# KiCad board GanJing 65 rev 2 solder.kicad_pcb
title: GanJing 65 rev 2 solder; date: 2021-11-19; rev: 2; company: Mingze Jin
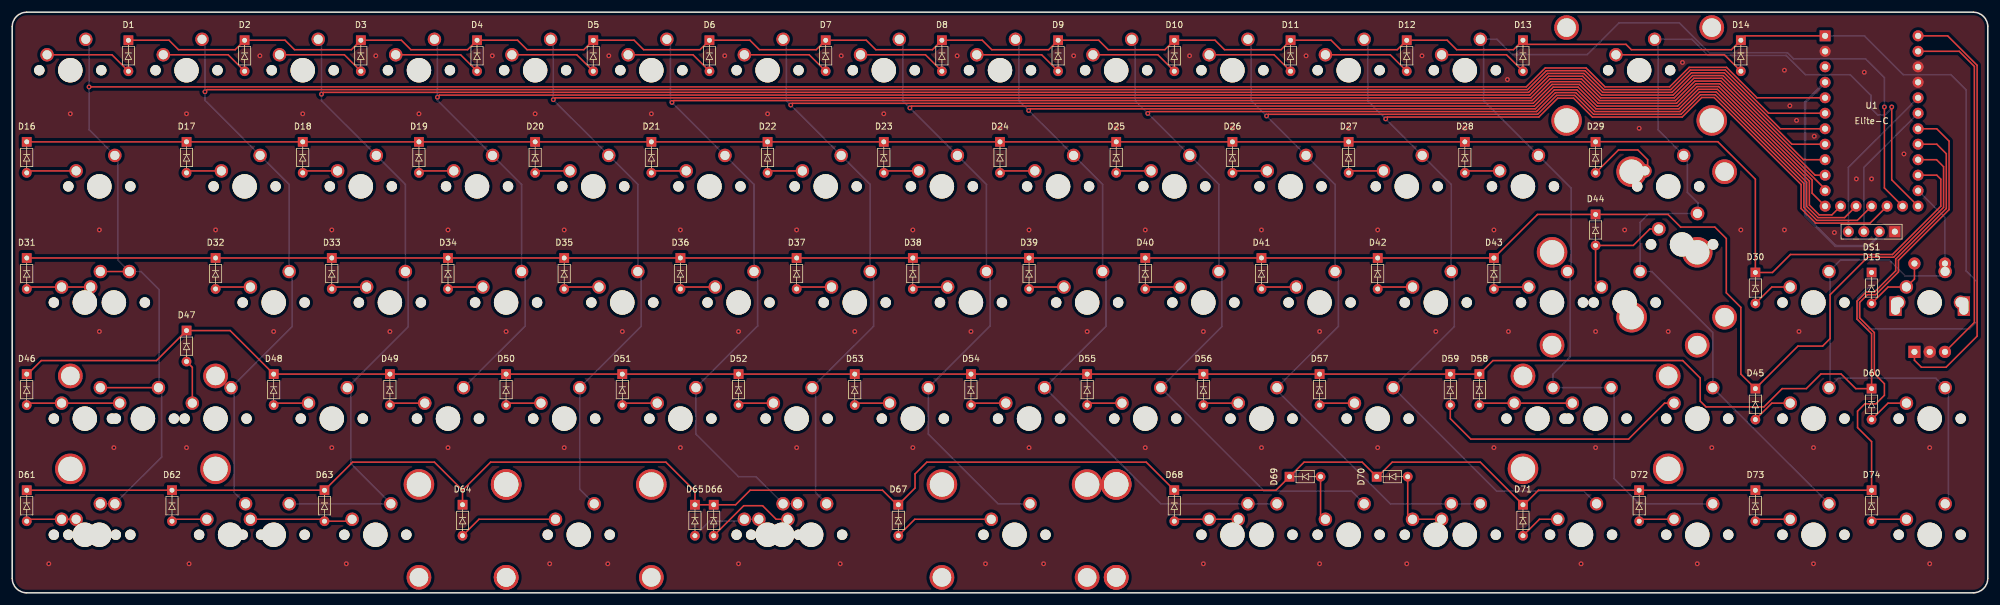
[diagram p0: board, top side]
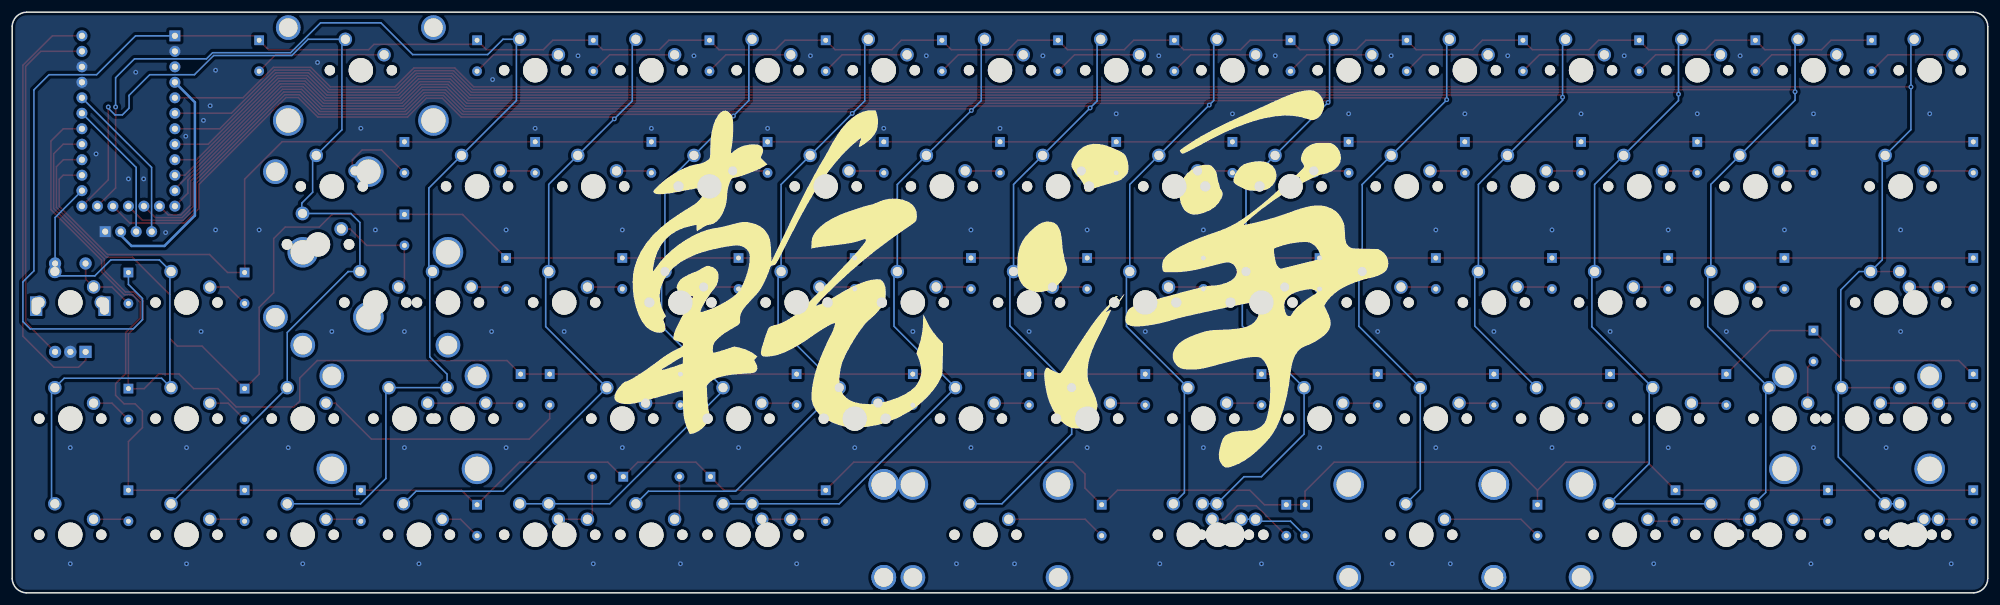
[diagram p1: board, bottom side, seen from below]

Outline 323.85 x 95.25 mm; copper layers: Top, Bottom. Coordinates in mm from the lower left corner of the outline.
Outline path: 0,92.87 0,2.38 arc(0.7,0.7) 2.38,0 321.47,0 arc(323.15,0.7) 323.85,2.38 323.85,92.87 arc(323.15,94.55) 321.47,95.25 2.38,95.25 arc(0.7,94.55) 0,92.87
Stack: Top 0.035mm / dielectric 1.51mm FR4 er 4.5 / Bottom 0.035mm

## Placement (name value [footprint] x y rotation side)
D1  -  [1N4148TR_diode]  19.05 88.11 0 top
D2  -  [1N4148TR_diode]  38.1 88.11 0 top
D3  -  [1N4148TR_diode]  57.15 88.11 0 top
D4  -  [1N4148TR_diode]  76.2 88.11 0 top
D5  -  [1N4148TR_diode]  95.25 88.11 0 top
D6  -  [1N4148TR_diode]  114.3 88.11 0 top
D7  -  [1N4148TR_diode]  133.35 88.11 0 top
D8  -  [1N4148TR_diode]  152.4 88.11 0 top
D9  -  [1N4148TR_diode]  171.45 88.11 0 top
D10  -  [1N4148TR_diode]  190.5 88.11 0 top
D11  -  [1N4148TR_diode]  209.55 88.11 0 top
D12  -  [1N4148TR_diode]  228.6 88.11 0 top
D13  -  [1N4148TR_diode]  247.65 88.11 0 top
D14  -  [1N4148TR_diode]  283.37 88.11 0 top
D15  -  [1N4148TR_diode]  304.8 50.01 0 top
D16  -  [1N4148TR_diode]  2.38 71.44 0 top
D17  -  [1N4148TR_diode]  28.57 71.44 0 top
D18  -  [1N4148TR_diode]  47.62 71.44 0 top
D19  -  [1N4148TR_diode]  66.68 71.44 0 top
D20  -  [1N4148TR_diode]  85.72 71.44 0 top
D21  -  [1N4148TR_diode]  104.78 71.44 0 top
D22  -  [1N4148TR_diode]  123.83 71.44 0 top
D23  -  [1N4148TR_diode]  142.88 71.44 0 top
D24  -  [1N4148TR_diode]  161.93 71.44 0 top
D25  -  [1N4148TR_diode]  180.97 71.44 0 top
D26  -  [1N4148TR_diode]  200.03 71.44 0 top
D27  -  [1N4148TR_diode]  219.08 71.44 0 top
D28  -  [1N4148TR_diode]  238.13 71.44 0 top
D29  -  [1N4148TR_diode]  259.56 71.44 0 top
D30  -  [1N4148TR_diode]  285.75 50.01 0 top
D31  -  [1N4148TR_diode]  2.38 52.39 0 top
D32  -  [1N4148TR_diode]  33.34 52.39 0 top
D33  -  [1N4148TR_diode]  52.39 52.39 0 top
D34  -  [1N4148TR_diode]  71.44 52.39 0 top
D35  -  [1N4148TR_diode]  90.49 52.39 0 top
D36  -  [1N4148TR_diode]  109.54 52.39 0 top
D37  -  [1N4148TR_diode]  128.59 52.39 0 top
D38  -  [1N4148TR_diode]  147.64 52.39 0 top
D39  -  [1N4148TR_diode]  166.69 52.39 0 top
D40  -  [1N4148TR_diode]  185.74 52.39 0 top
D41  -  [1N4148TR_diode]  204.79 52.39 0 top
D42  -  [1N4148TR_diode]  223.84 52.39 0 top
D43  -  [1N4148TR_diode]  242.89 52.39 0 top
D44  -  [1N4148TR_diode]  259.56 59.53 0 top
D45  -  [1N4148TR_diode]  285.75 30.96 0 top
D46  -  [1N4148TR_diode]  2.38 33.34 0 top
D47  -  [1N4148TR_diode]  28.57 40.48 0 top
D48  -  [1N4148TR_diode]  42.86 33.34 0 top
D49  -  [1N4148TR_diode]  61.91 33.34 0 top
D50  -  [1N4148TR_diode]  80.96 33.34 0 top
D51  -  [1N4148TR_diode]  100.01 33.34 0 top
D52  -  [1N4148TR_diode]  119.06 33.34 0 top
D53  -  [1N4148TR_diode]  138.11 33.34 0 top
D54  -  [1N4148TR_diode]  157.16 33.34 0 top
D55  -  [1N4148TR_diode]  176.21 33.34 0 top
D56  -  [1N4148TR_diode]  195.26 33.34 0 top
D57  -  [1N4148TR_diode]  214.31 33.34 0 top
D58  -  [1N4148TR_diode]  240.51 33.34 0 top
D59  -  [1N4148TR_diode]  235.74 33.34 0 top
D60  -  [1N4148TR_diode]  304.8 30.96 0 top
D61  -  [1N4148TR_diode]  2.38 14.29 0 top
D62  -  [1N4148TR_diode]  26.19 14.29 0 top
D63  -  [1N4148TR_diode]  51.19 14.29 0 top
D64  -  [1N4148TR_diode]  73.82 11.91 0 top
D65  -  [1N4148TR_diode]  111.92 11.91 0 top
D66  -  [1N4148TR_diode]  114.99 11.91 0 top
D67  -  [1N4148TR_diode]  145.26 11.91 0 top
D68  -  [1N4148TR_diode]  190.5 14.29 0 top
D69  -  [1N4148TR_diode]  211.93 19.05 90 top
D70  -  [1N4148TR_diode]  226.22 19.05 90 top
D71  -  [1N4148TR_diode]  247.65 11.91 0 top
D72  -  [1N4148TR_diode]  266.7 14.29 0 top
D73  -  [1N4148TR_diode]  285.75 14.29 0 top
D74  -  [1N4148TR_diode]  304.8 14.29 0 top
DS1  -  [SSD1306_128x64_OLED]  304.8 71.2 0 top
MX1  -  [MX_1u_no_LED]  9.52 85.72 0 top
MX2  -  [MX_1u_no_LED]  28.57 85.72 0 top
MX3  -  [MX_1u_no_LED]  47.62 85.72 0 top
MX4  -  [MX_1u_no_LED]  66.68 85.72 0 top
MX5  -  [MX_1u_no_LED]  85.72 85.72 0 top
MX6  -  [MX_1u_no_LED]  104.78 85.72 0 top
MX7  -  [MX_1u_no_LED]  123.83 85.72 0 top
MX8  -  [MX_1u_no_LED]  142.88 85.72 0 top
MX9  -  [MX_1u_no_LED]  161.93 85.72 0 top
MX10  -  [MX_1u_no_LED]  180.97 85.72 0 top
MX11  -  [MX_1u_no_LED]  200.03 85.72 0 top
MX12  -  [MX_1u_no_LED]  219.08 85.72 0 top
MX13  -  [MX_1u_no_LED]  238.13 85.72 0 top
MX14  -  [MX_2u_no_LED]  266.7 85.72 0 top
MX15  -  [MX_1u_no_LED#2]  314.31 47.64 0 top
MX16  -  [MX_1.5u_no_LED]  14.29 66.67 0 top
MX17  -  [MX_1u_no_LED]  38.1 66.67 0 top
MX18  -  [MX_1u_no_LED]  57.15 66.67 0 top
MX19  -  [MX_1u_no_LED]  76.2 66.67 0 top
MX20  -  [MX_1u_no_LED]  95.25 66.67 0 top
MX21  -  [MX_1u_no_LED]  114.3 66.67 0 top
MX22  -  [MX_1u_no_LED]  133.35 66.67 0 top
MX23  -  [MX_1u_no_LED]  152.4 66.67 0 top
MX24  -  [MX_1u_no_LED]  171.45 66.67 0 top
MX25  -  [MX_1u_no_LED]  190.5 66.67 0 top
MX26  -  [MX_1u_no_LED]  209.55 66.67 0 top
MX27  -  [MX_1u_no_LED]  228.6 66.67 0 top
MX28  -  [MX_1u_no_LED]  247.65 66.67 0 top
MX29  -  [MX_1.5u_no_LED]  271.46 66.67 0 top
MX30  -  [MX_1u_no_LED]  295.27 47.62 0 top
MX31  -  [MX_1.75u_no_LED]  16.67 47.62 0 top
MX32  -  [MX_1u_no_LED]  42.86 47.62 0 top
MX33  -  [MX_1u_no_LED]  61.91 47.62 0 top
MX34  -  [MX_1u_no_LED]  80.96 47.62 0 top
MX35  -  [MX_1u_no_LED]  100.01 47.62 0 top
MX36  -  [MX_1u_no_LED]  119.06 47.62 0 top
MX37  -  [MX_1u_no_LED]  138.11 47.62 0 top
MX38  -  [MX_1u_no_LED]  157.16 47.62 0 top
MX39  -  [MX_1u_no_LED]  176.21 47.62 0 top
MX40  -  [MX_1u_no_LED]  195.26 47.62 0 top
MX41  -  [MX_1u_no_LED]  214.31 47.62 0 top
MX42  -  [MX_1u_no_LED]  233.36 47.62 0 top
MX43  -  [MX_1u_no_LED]  252.41 47.62 0 top
MX44  MX_2.25u_no_LED  [MX_2.25u_no_LED_flipped_stabs]  264.32 47.62 0 top
MX45  -  [MX_1u_no_LED]  295.27 28.57 0 top
MX46  -  [MX_2.25u_no_LED]  21.43 28.57 0 top
MX47  -  [MX_1u_no_LED]  33.34 28.57 0 top
MX48  -  [MX_1u_no_LED]  52.39 28.57 0 top
MX49  -  [MX_1u_no_LED]  71.44 28.57 0 top
MX50  -  [MX_1u_no_LED]  90.49 28.57 0 top
MX51  -  [MX_1u_no_LED]  109.54 28.57 0 top
MX52  -  [MX_1u_no_LED]  128.59 28.57 0 top
MX53  -  [MX_1u_no_LED]  147.64 28.57 0 top
MX54  -  [MX_1u_no_LED]  166.69 28.57 0 top
MX55  -  [MX_1u_no_LED]  185.74 28.57 0 top
MX56  -  [MX_1u_no_LED]  204.79 28.57 0 top
MX57  -  [MX_1u_no_LED]  223.84 28.57 0 top
MX58  -  [MX_2.75u_no_LED]  259.56 28.57 0 top
MX59  -  [MX_1u_no_LED]  276.22 28.57 0 top
MX60  -  [MX_1u_no_LED]  314.32 28.57 0 top
MX61  -  [MX_1.25u_no_LED]  11.91 9.53 0 top
MX62  -  [MX_1.25u_no_LED]  35.72 9.53 0 top
MX63  -  [MX_1.25u_no_LED]  59.53 9.53 0 top
MX64  -  [MX_2.25u_no_LED_flipped_stabs]  92.87 9.53 0 top
MX65  -  [MX_1.25u_no_LED]  126.21 9.53 0 top
MX66  -  [MX_6.25u_no_LED_flipped_stabs]  130.97 9.53 0 top
MX67  -  [MX_2.75u_no_LED_flipped_stabs]  164.31 9.53 0 top
MX68  -  [MX_1u_no_LED]  200.03 9.53 0 top
MX69  -  [MX_1u_no_LED]  219.08 9.53 0 top
MX70  -  [MX_1u_no_LED]  238.13 9.53 0 top
MX71  -  [MX_1u_no_LED]  257.17 9.53 0 top
MX72  -  [MX_1u_no_LED]  276.22 9.53 0 top
MX73  -  [MX_1u_no_LED]  295.27 9.53 0 top
MX74  -  [MX_1u_no_LED]  314.32 9.53 0 top
MX75  -  [MX_1.75u_stepped_no_LED]  11.91 47.62 0 top
MX76  -  [MX_ISO_no_LED_flipped_stabs]  273.72 57.15 0 top
MX77  -  [MX_1.25u_no_LED]  11.91 28.57 0 top
MX78  -  [MX_1.75u_no_LED]  250.03 28.57 0 top
MX79  -  [MX_1.5u_no_LED]  14.29 9.53 0 top
MX80  -  [MX_1.5u_no_LED]  42.86 9.53 0 top
MX81  -  [MX_7u_no_LED_flipped_stabs]  123.83 9.53 0 top
MX82  -  [MX_1.5u_no_LED]  204.79 9.53 0 top
MX83  -  [MX_1.5u_no_LED]  233.36 9.53 0 top
REF***  -  [Logo]  161.93 47.62 0 top
SW1  -  [EC11_rotary_encoder]  314.32 47.03 0 top
U1  -  [Elite-C]  304.8 77.4 0 top

## Library data of the parts
MX1-MX13 MX15 MX17-MX28 MX30 MX32-MX43 MX45 MX47-MX57 MX59 MX60 MX68-MX74 = -: Size: 1u
MX14 = -: Size: 2u
MX16 MX29 MX79 MX80 MX82 MX83 = -: Size: 1.5u
MX31 MX75 MX78 = -: Size: 1.75u
MX44 MX46 MX64 = -: Size: 2.25u
MX58 MX67 = -: Size: 2.75u
MX61-MX63 MX65 MX77 = -: Size: 1.25u
MX66 = -: Size: 6.25u
MX76 = -: Size: ISO
MX81 = -: Size: 7u

## Footprints (pads in the part's own frame, mm; a bottom-side part is the same pattern mirrored in y, then rotated)
1N4148TR_diode
  rect 1.6x1.6 hole 0.8: 1(0,2.54)
  oval 1.6x1.6 hole 0.8: 2(0,-2.54)
EC11_rotary_encoder
  rect 2x3.2 hole 1.5x2.8 unplated: (-5.6,0) (5.6,0)
  rect 2x2 hole 1: A(-2.5,-7.5)
  round 2 hole 1: B(2.5,-7.5) C(0,-7.5) S1(2.5,7) S2(-2.5,7)
Elite-C
  rect 1.8x1.8 hole 1: 1(-7.62,13.97)
  round 1.8 hole 1: 2(-7.62,11.43) 3(-7.62,8.89) 4(-7.62,6.35) 5(-7.62,3.81) 6(-7.62,1.27) 7(-7.62,-1.27) 8(-7.62,-3.81) 9(-7.62,-6.35) 10(-7.62,-8.89) 11(-7.62,-11.43) 12(-7.62,-13.97) 13(7.62,-13.97) 14(7.62,-11.43) 15(7.62,-8.89) 16(7.62,-6.35) 17(7.62,-3.81) 18(7.62,-1.27) 19(7.62,1.27) 20(7.62,3.81) 21(7.62,6.35) 22(7.62,8.89) 23(7.62,11.43) 24(7.62,13.97) 25(-5.08,-13.97) 26(-2.54,-13.97) 27(0,-13.97) 28(2.54,-13.97) 29(5.08,-13.97)
MX_1.5u_no_LED
  round 1.7 hole 1.7 unplated: (-5.08,0) (5.08,0)
  round 4 hole 4 unplated: (0,0)
  round 2.2 hole 1.5: 1(2.54,5.08) 2(-3.81,2.54)
MX_1.25u_no_LED
  round 1.7 hole 1.7 unplated: (-5.08,0) (5.08,0)
  round 4 hole 4 unplated: (0,0)
  round 2.2 hole 1.5: 1(2.54,5.08) 2(-3.81,2.54)
MX_1.75u_no_LED
  round 1.7 hole 1.7 unplated: (-5.08,0) (5.08,0)
  round 4 hole 4 unplated: (0,0)
  round 2.2 hole 1.5: 1(2.54,5.08) 2(-3.81,2.54)
MX_1.75u_stepped_no_LED
  round 1.7 hole 1.7 unplated: (-5.08,0) (5.08,0)
  round 4 hole 4 unplated: (0,0)
  round 2.2 hole 1.5: 1(2.54,5.08) 2(-3.81,2.54)
MX_1u_no_LED
  round 1.7 hole 1.7 unplated: (-5.08,0) (5.08,0)
  round 4 hole 4 unplated: (0,0)
  round 2.2 hole 1.5: 1(2.54,5.08) 2(-3.81,2.54)
MX_1u_no_LED#2
  round 2.25 hole 1.7 unplated: (-5.08,0) (5.08,0)
  round 4 hole 4 unplated: (0,0)
  round 2.2 hole 1.5: 1(2.54,5.08) 2(-3.81,2.54)
MX_2.25u_no_LED
  round 4.05 hole 3.05 unplated: (-11.9,7) (11.9,7)
  round 5 hole 4 unplated: (-11.9,-8.24) (11.9,-8.24)
  round 1.7 hole 1.7 unplated: (-5.08,0) (5.08,0)
  round 4 hole 4 unplated: (0,0)
  round 2.2 hole 1.5: 1(2.54,5.08) 2(-3.81,2.54)
MX_2.25u_no_LED_flipped_stabs
  round 5 hole 4 unplated: (-11.9,8.24) (11.9,8.24)
  round 4.05 hole 3.05 unplated: (-11.9,-7) (11.9,-7)
  round 1.7 hole 1.7 unplated: (-5.08,0) (5.08,0)
  round 4 hole 4 unplated: (0,0)
  round 2.2 hole 1.5: 1(2.54,5.08) 2(-3.81,2.54)
MX_2.75u_no_LED
  round 4.05 hole 3.05 unplated: (-11.9,7) (11.9,7)
  round 5 hole 4 unplated: (-11.9,-8.24) (11.9,-8.24)
  round 1.7 hole 1.7 unplated: (-5.08,0) (5.08,0)
  round 4 hole 4 unplated: (0,0)
  round 2.2 hole 1.5: 1(2.54,5.08) 2(-3.81,2.54)
MX_2.75u_no_LED_flipped_stabs
  round 5 hole 4 unplated: (-11.9,8.24) (11.9,8.24)
  round 4.05 hole 3.05 unplated: (-11.9,-7) (11.9,-7)
  round 1.7 hole 1.7 unplated: (-5.08,0) (5.08,0)
  round 4 hole 4 unplated: (0,0)
  round 2.2 hole 1.5: 1(2.54,5.08) 2(-3.81,2.54)
MX_2u_no_LED
  round 4.05 hole 3.05 unplated: (-11.9,7) (11.9,7)
  round 5 hole 4 unplated: (-11.9,-8.24) (11.9,-8.24)
  round 1.7 hole 1.7 unplated: (-5.08,0) (5.08,0)
  round 4 hole 4 unplated: (0,0)
  round 2.2 hole 1.5: 1(2.54,5.08) 2(-3.81,2.54)
MX_6.25u_no_LED_flipped_stabs
  round 5 hole 4 unplated: (-50,8.255) (50,8.255)
  round 4.05 hole 3.05 unplated: (-50,-6.985) (50,-6.985)
  round 1.7 hole 1.7 unplated: (-5.08,0) (5.08,0)
  round 4 hole 4 unplated: (0,0)
  round 2.2 hole 1.5: 1(2.54,5.08) 2(-3.81,2.54)
MX_7u_no_LED_flipped_stabs
  round 5 hole 4 unplated: (-57.15,8.255) (57.15,8.255)
  round 4.05 hole 3.05 unplated: (-57.15,-6.985) (57.15,-6.985)
  round 1.7 hole 1.7 unplated: (-5.08,0) (5.08,0)
  round 4 hole 4 unplated: (0,0)
  round 2.2 hole 1.5: 1(2.54,5.08) 2(-3.81,2.54)
MX_ISO_no_LED_flipped_stabs
  round 5 hole 4 unplated: (-8.255,11.938) (-8.255,-11.938)
  round 1.75 hole 1.75 unplated: (-5.08,0) (5.08,0)
  round 3.988 hole 3.988 unplated: (0,0)
  round 4.05 hole 3.05 unplated: (6.985,11.938) (6.985,-11.938)
  round 2.25 hole 1.47: 1(2.54,5.08) 2(-3.81,2.54)
SSD1306_128x64_OLED
  rect 1.8x1.8 hole 1: 1(3.81,-11.95)
  round 1.8 hole 1: 2(1.27,-11.95) 3(-1.27,-11.95) 4(-3.81,-11.95)

## Nets
GND: DS1.1 SW1.C U1.2 U1.21 U1.22
VCC: DS1.2 U1.4
col_1: MX1.1 MX16.1 MX31.1 MX46.1 MX61.1 MX75.1 MX77.1 MX79.1 U1.5
col_2: MX2.1 MX17.1 MX32.1 MX47.1 MX62.1 U1.6
col_3: MX3.1 MX18.1 MX33.1 MX48.1 MX63.1 MX80.1 U1.7
col_4: MX4.1 MX19.1 MX34.1 MX49.1 U1.8
col_5: MX5.1 MX20.1 MX35.1 MX50.1 MX64.1 U1.9
col_6: MX6.1 MX21.1 MX36.1 MX51.1 MX65.1 MX81.1 U1.10
col_7: MX7.1 MX22.1 MX37.1 MX52.1 MX66.1 U1.11
col_8: MX8.1 MX23.1 MX38.1 MX53.1 MX67.1 U1.12
col_9: MX9.1 MX24.1 MX39.1 MX54.1 MX68.1 MX82.1 U1.25
col_10: MX10.1 MX25.1 MX40.1 MX55.1 MX69.1 U1.26
col_11: MX11.1 MX26.1 MX41.1 MX56.1 MX70.1 MX83.1 U1.27
col_12: MX12.1 MX27.1 MX42.1 MX57.1 MX71.1 U1.28
col_13: MX13.1 MX28.1 MX43.1 MX58.1 MX72.1 MX78.1 U1.29
col_14: MX14.1 MX29.1 MX44.1 MX59.1 MX73.1 MX76.1 U1.13
col_15: MX15.1 MX30.1 MX45.1 MX60.1 MX74.1 SW1.S1 U1.14
rotory_1: SW1.A U1.24
rotory_2: SW1.B U1.23
row_1: D1.1 D2.1 D3.1 D4.1 D5.1 D6.1 D7.1 D8.1 D9.1 D10.1 D11.1 D12.1 D13.1 D14.1 D15.1 U1.1
row_2: D16.1 D17.1 D18.1 D19.1 D20.1 D21.1 D22.1 D23.1 D24.1 D25.1 D26.1 D27.1 D28.1 D29.1 D30.1 U1.15
row_3: D31.1 D32.1 D33.1 D34.1 D35.1 D36.1 D37.1 D38.1 D39.1 D40.1 D41.1 D42.1 D43.1 D44.1 D45.1 U1.16
row_4: D46.1 D47.1 D48.1 D49.1 D50.1 D51.1 D52.1 D53.1 D54.1 D55.1 D56.1 D57.1 D58.1 D59.1 D60.1 U1.17
row_5: D61.1 D62.1 D63.1 D64.1 D65.1 D66.1 D67.1 D68.1 D69.1 D70.1 D71.1 D72.1 D73.1 D74.1 U1.18
S2: D15.2 MX15.2 SW1.S2
SCL: DS1.3 U1.19
SDA: DS1.4 U1.20
Net-(D1-Pad2): D1.2 MX1.2
Net-(D2-Pad2): D2.2 MX2.2
Net-(D3-Pad2): D3.2 MX3.2
Net-(D4-Pad2): D4.2 MX4.2
Net-(D5-Pad2): D5.2 MX5.2
Net-(D6-Pad2): D6.2 MX6.2
Net-(D7-Pad2): D7.2 MX7.2
Net-(D8-Pad2): D8.2 MX8.2
Net-(D9-Pad2): D9.2 MX9.2
Net-(D10-Pad2): D10.2 MX10.2
Net-(D11-Pad2): D11.2 MX11.2
Net-(D12-Pad2): D12.2 MX12.2
Net-(D13-Pad2): D13.2 MX13.2
Net-(D14-Pad2): D14.2 MX14.2
Net-(D16-Pad2): D16.2 MX16.2
Net-(D17-Pad2): D17.2 MX17.2
Net-(D18-Pad2): D18.2 MX18.2
Net-(D19-Pad2): D19.2 MX19.2
Net-(D20-Pad2): D20.2 MX20.2
Net-(D21-Pad2): D21.2 MX21.2
Net-(D22-Pad2): D22.2 MX22.2
Net-(D23-Pad2): D23.2 MX23.2
Net-(D24-Pad2): D24.2 MX24.2
Net-(D25-Pad2): D25.2 MX25.2
Net-(D26-Pad2): D26.2 MX26.2
Net-(D27-Pad2): D27.2 MX27.2
Net-(D28-Pad2): D28.2 MX28.2
Net-(D29-Pad2): D29.2 MX29.2
Net-(D30-Pad2): D30.2 MX30.2
Net-(D31-Pad2): D31.2 MX31.2 MX75.2
Net-(D32-Pad2): D32.2 MX32.2
Net-(D33-Pad2): D33.2 MX33.2
Net-(D34-Pad2): D34.2 MX34.2
Net-(D35-Pad2): D35.2 MX35.2
Net-(D36-Pad2): D36.2 MX36.2
Net-(D37-Pad2): D37.2 MX37.2
Net-(D38-Pad2): D38.2 MX38.2
Net-(D39-Pad2): D39.2 MX39.2
Net-(D40-Pad2): D40.2 MX40.2
Net-(D41-Pad2): D41.2 MX41.2
Net-(D42-Pad2): D42.2 MX42.2
Net-(D43-Pad2): D43.2 MX43.2
Net-(D44-Pad2): D44.2 MX44.2 MX76.2
Net-(D45-Pad2): D45.2 MX45.2
Net-(D46-Pad2): D46.2 MX46.2 MX77.2
Net-(D47-Pad2): D47.2 MX47.2
Net-(D48-Pad2): D48.2 MX48.2
Net-(D49-Pad2): D49.2 MX49.2
Net-(D50-Pad2): D50.2 MX50.2
Net-(D51-Pad2): D51.2 MX51.2
Net-(D52-Pad2): D52.2 MX52.2
Net-(D53-Pad2): D53.2 MX53.2
Net-(D54-Pad2): D54.2 MX54.2
Net-(D55-Pad2): D55.2 MX55.2
Net-(D56-Pad2): D56.2 MX56.2
Net-(D57-Pad2): D57.2 MX57.2
Net-(D58-Pad2): D58.2 MX58.2 MX78.2
Net-(D59-Pad2): D59.2 MX59.2
Net-(D60-Pad2): D60.2 MX60.2
Net-(D61-Pad2): D61.2 MX61.2 MX79.2
Net-(D62-Pad2): D62.2 MX62.2
Net-(D63-Pad2): D63.2 MX63.2 MX80.2
Net-(D64-Pad2): D64.2 MX64.2
Net-(D65-Pad2): D65.2 MX65.2 MX81.2
Net-(D66-Pad2): D66.2 MX66.2
Net-(D67-Pad2): D67.2 MX67.2
Net-(D68-Pad2): D68.2 MX68.2 MX82.2
Net-(D69-Pad2): D69.2 MX69.2
Net-(D70-Pad2): D70.2 MX70.2 MX83.2
Net-(D71-Pad2): D71.2 MX71.2
Net-(D72-Pad2): D72.2 MX72.2
Net-(D73-Pad2): D73.2 MX73.2
Net-(D74-Pad2): D74.2 MX74.2

Pads without a net: U1 3

## Via types
v1: diameter 0.8, hole 0.4, Top to Bottom, 115 vias

## Routing (per net, layer and track width the routed paths; a pad name or vN(x,y) marks a point on that pad's centre or on a via; arc(x,y) is an arc through that point)
GND:
  vias: v1(5.99,4.76) v1(9.52,78.58) v1(14.29,59.53) v1(14.29,42.86) v1(16.67,23.81) v1(28.57,78.58) v1(28.57,23.81) v1(28.99,4.76) v1(33.34,59.53) v1(40.6,88.1) v1(42.86,42.86) v1(47.62,78.58) v1(52.39,59.53) v1(52.39,23.81) v1(54.77,4.76) v1(59.6,88.1) v1(61.91,42.86) v1(66.68,78.58) v1(71.44,59.53) v1(71.44,23.81) v1(78.7,88.1) v1(80.96,42.86) v1(85.72,78.58) v1(88.11,4.76) v1(90.49,59.53) v1(90.49,23.81) v1(97.63,4.76) v1(97.8,88.1) v1(100.01,42.86) v1(104.78,78.58) v1(109.54,59.53) v1(109.54,23.81) v1(116.8,88.1) v1(119.06,42.86) v1(119.06,4.76) v1(123.83,78.58) v1(128.59,59.53) v1(128.59,23.81) v1(135.73,4.76) v1(135.9,88.1) v1(138.11,42.86) v1(142.88,78.58) v1(147.64,59.53) v1(147.64,23.81) v1(154.9,88.1) v1(157.16,42.86) v1(159.54,4.76) v1(161.93,76.2) v1(166.69,59.53) v1(166.69,23.81) v1(169.07,4.76) v1(174,88.1) v1(176.21,42.86) v1(180.97,76.2) v1(185.74,59.53) v1(185.74,23.81) v1(193,88.1) v1(195.26,42.86) v1(195.26,4.76) v1(200.03,76.2) v1(204.79,59.53) v1(204.79,23.81) v1(212.1,88.1) v1(214.31,42.86) v1(214.31,4.76) v1(219.08,76.2) v1(223.84,59.53) v1(223.84,23.81) v1(228.6,4.76) v1(231.1,88.1) v1(233.36,42.86) v1(238.13,76.2) v1(242.89,59.53) v1(242.89,23.81) v1(245.1,84.2) v1(245.27,42.86) v1(257.17,4.76) v1(259.56,42.86) v1(259.56,23.81) v1(264.32,59.53) v1(266.7,76.2) v1(271.46,42.86) v1(273.8,87) v1(276.22,4.76) v1(278.61,23.81) v1(283.37,59.53) v1(290.51,85.72) v1(290.51,59.53) v1(291.4,79.9) v1(292.5,77.5) v1(292.89,42.86) v1(295.27,23.81) v1(295.27,4.76) v1(295.4,74.9) v1(298.7,59.1) v1(302.3,67.9) v1(303.6,85.4) v1(304.8,67.9) v1(310.1,72) v1(314.32,23.81) v1(314.32,4.76)
VCC: length 38.2
  Bottom w0.4: 306.07,58.67 304.3,56.9 298.9,56.9 293.9,61.9 293.9,80.47 U1.4
col_1: length 390.6
  Top w0.25: U1.5 286.01,81.21 281.02,86.2 274.9,86.2 271.7,83 261.1,83 258,86.1 251.3,86.1 248.2,83 12.61,83 v1(12.6,82.99) ; MX46.1 MX77.1 ; MX31.1 MX75.1
  Bottom w0.25: 12.6,90.27 12.6,75.98 MX16.1 ; 24.5,33.13 24.5,22.28 16.83,14.6 14.45,14.6 ; 24.1,33.78 24.1,49.7 21.09,52.71 MX31.1 17.3,54.61 17.3,71.28
col_2: length 357.9
  Top w0.25: U1.6 287.92,78.67 280.84,85.75 275.09,85.75 271.89,82.55 260.91,82.55 257.81,85.65 251.49,85.65 248.39,82.55 31.95,82.55 v1(31.6,82.2)
  Bottom w0.25: 31.6,90.32 31.6,80.8 MX17.1 45.4,66.99 MX32.1 ; 38.26,14.6 36.4,16.46 36.4,33.13 ; 45.9,52.21 45.9,43.68 MX47.1
col_3: length 358.1
  Top w0.25: v1(50.7,81.8) 51,82.1 248.57,82.1 251.67,85.2 257.63,85.2 260.73,82.1 272.07,82.1 275.27,85.3 280.65,85.3 289.82,76.13 U1.7
  Bottom w0.25: 50.7,90.27 v1(50.7,81.8) 50.7,80.75 MX18.1 64.45,66.99 MX33.1 ; 45.4,14.6 62.07,14.6 ; MX48.1 64.9,43.63 64.9,52.26 ; 62.07,14.63 55.5,21.2 55.5,33.08
col_4: length 302.2
  Top w0.25: v1(69.7,81.3) 70.05,81.65 248.76,81.65 251.86,84.75 257.44,84.75 260.54,81.65 272.26,81.65 275.46,84.85 280.47,84.85 291.73,73.59 U1.8
  Bottom w0.25: 69.7,90.32 69.7,80.8 MX19.1 83.5,66.99 MX34.1 ; 84.1,52.11 84.1,43.78 MX49.1
col_5: length 304.1
  Top w0.25: U1.9 293.63,71.05 280.28,84.4 275.65,84.4 272.45,81.2 260.35,81.2 257.25,84.3 252.05,84.3 248.95,81.2 89,81.2 v1(88.7,80.9)
  Bottom w0.25: 88.7,90.37 88.7,80.84 MX20.1 102.55,66.99 MX35.1 ; 95.41,14.6 93.03,16.99 MX50.1 103.1,43.73 103.1,52.16
col_6: length 294.3
  Top w0.25: U1.10 295.54,68.51 280.1,83.95 275.83,83.95 272.63,80.75 260.17,80.75 257.07,83.85 252.23,83.85 249.13,80.75 108.45,80.75 v1(108.15,80.45)
  Bottom w0.25: 107.9,90.22 107.9,80.69 v1(108.15,80.45) MX21.1 121.6,66.99 MX36.1 ; 122.2,52.11 122.2,43.78 MX51.1 112.08,26.03 119.06,19.05 121.92,19.05 126.37,14.6 128.75,14.6
col_7: length 265.9
  Top w0.25: v1(127.62,80.02) 127.9,80.3 249.32,80.3 252.42,83.4 256.88,83.4 259.98,80.3 272.82,80.3 276.02,83.5 279.91,83.5 297.18,66.23
  Bottom w0.25: 126.9,90.27 126.9,80.75 v1(127.62,80.02) MX22.1 140.65,66.99 MX37.1 ; 133.51,14.6 131.7,16.41 131.7,33.08 ; 141.2,52.16 141.2,43.73 MX52.1
col_8: length 258.3
  Top w0.25: U1.12 295.05,65.56 295.05,67.72 279.72,83.05 276.2,83.05 273,79.85 259.8,79.85 256.7,82.95 252.6,82.95 249.5,79.85 147.45,79.85 v1(147.15,79.55)
  Bottom w0.25: 146,90.22 146,80.69 v1(147.15,79.55) MX23.1 159.7,66.99 MX38.1 ; 160.3,52.11 160.3,43.78 MX53.1 150.18,26.03 161.61,14.6 166.85,14.6
col_9: length 260.5
  Top w0.25: v1(166.62,79.12) 166.9,79.4 249.69,79.4 252.79,82.5 256.51,82.5 259.61,79.4 273.19,79.4 276.39,82.6 279.54,82.6 294.6,67.54 294.6,63.6 296.2,62 298.29,62 U1.25
  Bottom w0.25: 165,90.27 165,80.75 v1(166.62,79.12) MX24.1 178.75,66.99 MX39.1 ; 179.3,52.16 179.3,43.73 MX54.1 188.28,14.6 207.33,14.6
col_10: length 238.9
  Top w0.25: v1(186.15,78.65) 186.45,78.95 249.88,78.95 252.98,82.05 256.32,82.05 259.42,78.95 273.38,78.95 276.58,82.15 279.35,82.15 294.15,67.35 294.15,63.41 296.01,61.55 300.38,61.55 U1.26
  Bottom w0.25: 184.1,90.22 184.1,80.69 v1(186.15,78.65) MX25.1 197.8,66.99 MX40.1 ; 221.61,14.6 219.55,16.67 205.26,16.67 MX55.1 198.3,43.68 198.3,52.21
col_11: length 222
  Top w0.25: v1(205.62,78.22) 205.9,78.5 250.06,78.5 253.16,81.6 256.14,81.6 259.24,78.5 273.56,78.5 276.76,81.7 279.17,81.7 293.7,67.17 293.7,63.23 295.83,61.1 302.47,61.1 U1.27
  Bottom w0.25: 203.1,90.27 203.1,80.75 v1(205.62,78.22) MX26.1 216.85,66.99 MX41.1 ; MX56.1 217.4,43.73 217.4,52.16 ; 207.33,33.18 225.9,14.6 240.66,14.6
col_12: length 205.3
  Top w0.25: v1(225.15,77.75) 225.45,78.05 250.25,78.05 253.35,81.15 255.95,81.15 259.05,78.05 273.75,78.05 276.95,81.25 278.98,81.25 293.25,66.98 293.25,63.04 295.64,60.65 304.56,60.65 U1.28
  Bottom w0.25: 222.2,90.22 222.2,80.69 v1(225.15,77.75) MX27.1 235.9,66.99 MX42.1 ; 259.71,14.6 257.65,16.67 243.36,16.67 MX57.1 236.4,43.68 236.4,52.21
col_13: length 200
  Top w0.25: U1.29 306.9,66.41 v1(306.9,79.7)
  Bottom w0.25: 241.2,90.27 241.2,80.75 MX28.1 255.55,66.39 255.55,53.31 ; MX13.1 243.4,90.81 245.9,88.3 258.2,88.3 263.4,93.5 273.3,93.5 278.2,88.6 291,88.6 292,87.6 303.8,87.6 306.9,84.5 v1(306.9,79.7) ; 278.76,14.6 266.74,14.6 262.6,18.74 262.6,33.15 ; MX58.1 MX78.1 252.57,35.88 255.4,38.71 255.4,52.26
col_14: length 164.1
  Top w0.25: U1.13 308.1,67.75 v1(308.1,79.7)
  Bottom w0.25: 269.8,90.25 269.8,75.96 MX29.1 ; 297.81,14.6 MX59.1 278.76,42.7 268.79,52.67 268.79,52.71 MX44.1 266.86,60.76 268.33,62.23 276.38,62.23 276.38,63.92 274.6,65.7 274.6,71.16 ; v1(308.1,79.7) 308.1,79.5 307,78.4 305.8,78.4 304.7,79.5 304.7,81.6 301.3,85 293.96,85 290.81,88.15 278.01,88.15 275.36,90.81 MX14.1
col_15: length 92
  Bottom w0.25: 317.4,15.14 317.4,33.12 ; SW1.S1 316.82,61.56 U1.14 ; MX30.1 299.71,54.6 307.7,54.6 310.3,52 316.13,52 MX15.1 ; 298,52.52 298,33.84 ; MX45.1 299.36,35.2 315.32,35.2 MX60.1
rotory_1: length 70.4
  Top w0.25: U1.24 317.27,91.37 322.1,86.54 322.1,42.1 317,37 312.97,37 311.82,38.15 SW1.A
rotory_2: length 59.1
  Top w0.25: U1.23 319.17,88.83 321.65,86.35 321.65,44.35 SW1.B
row_1: length 390
  Top w0.25: D1.1 25.7,90.65 27.25,89.1 36.55,89.1 D2.1 44.73,90.65 46.27,89.1 55.6,89.1 D3.1 63.8,90.65 65.35,89.1 74.65,89.1 D4.1 82.84,90.65 84.39,89.1 93.7,89.1 D5.1 101.95,90.65 103.5,89.1 112.75,89.1 D6.1 120.93,90.65 122.47,89.1 131.8,89.1 D7.1 140.01,90.65 141.55,89.1 150.85,89.1 D8.1 159.02,90.65 160.57,89.1 169.9,89.1 D9.1 178.11,90.65 179.65,89.1 188.95,89.1 D10.1 197.18,90.65 198.72,89.1 208,89.1 D11.1 216.2,90.65 217.75,89.1 227.05,89.1 D12.1 235.23,90.65 236.78,89.1 246.1,89.1 D13.1 248.33,89.97 264.54,89.97 265.41,89.1 281.82,89.1 D14.1 284.09,91.37 U1.1
  Bottom w0.25: U1.1 303.63,91.37 310,85 317.8,85 320.3,82.5 320.3,52.8 322.1,51 322.1,44.5 320.9,43.3 304,43.3 302.5,44.8 302.5,48.3 304.8,50.6 D15.1
row_2: length 344.5
  Top w0.25: D16.1 D29.1 ; 259.58,74 279.6,74 285.75,67.85 D30.1 288.55,52.55 291.5,55.5 308.23,55.5 316.15,63.42 316.15,67.85 315.49,68.51 U1.15
row_3: length 368.5
  Top w0.25: D31.1 D43.1 250.03,62.07 D44.1 271.43,62.07 273.5,60 279.1,60 280.99,58.11 280.99,49.21 283.37,46.83 283.37,35.88 D45.1 292.72,40.47 296.77,40.47 298,41.7 298,48.9 304.15,55.05 308.41,55.05 316.6,63.24 316.6,69.9 315.45,71.05 U1.16
row_4: length 369.2
  Top w0.25: D58.1 242.73,38.1 273.84,38.1 276.71,35.23 276.71,31.44 277.66,30.5 287.15,30.5 290.15,33.5 294.1,33.5 296.5,35.9 299.8,35.9 302.2,33.5 D60.1 304.8,42.5 302.4,44.9 302.4,47.84 303.91,49.35 305.28,49.35 308.75,52.82 308.75,54.75 317.05,63.05 317.05,72.03 315.49,73.59 U1.17 ; 240.35,35.88 D48.1 35.72,43.02 D47.1 23.65,38.1 4.76,38.1 2.54,35.88
row_5: length 405.6
  Top w0.25: 73.82,16.83 78.42,21.43 107.16,21.43 111.92,16.67 D65.1 D66.1 118.59,14.45 120.97,16.83 142.67,16.83 145.05,14.45 ; 73.82,16.83 69.22,21.43 55.8,21.43 D63.1 D61.1 ; 73.82,16.83 D64.1 ; 223.84,19.05 226.22,21.43 240.66,21.43 D71.1 ; 247.81,14.45 250.19,16.83 D74.1 304.8,24.8 302.5,27.1 302.5,29.8 303.7,31 305.5,31 306.9,32.4 306.9,34.3 305.25,35.95 305.25,42.69 302.85,45.09 302.85,47.65 304.1,48.9 305.46,48.9 309.2,52.64 309.2,54.56 317.5,62.86 317.5,74.1 315.47,76.13 U1.18 ; D67.1 147.99,17.18 147.99,19.5 149.93,21.43 185.9,21.43 D68.1 207.17,16.83 D69.1 211.77,21.43 221.3,21.43 D70.1
S2: length 11.2
  Top w0.25: SW1.S2 311.82,51.47 310.51,50.16 307.5,50.16 D15.2
SCL: length 23.1
  Bottom w0.25: DS1.3 303.53,69.78 U1.19
SDA: length 26.7
  Bottom w0.25: U1.20 301,69.79 301,59.26
Net-(D1-Pad2): length 14.5
  Top w0.25: MX1.2 16.35,88.27 D1.2
Net-(D2-Pad2): length 14.5
  Top w0.25: MX2.2 35.4,88.27 D2.2
Net-(D3-Pad2): length 14.5
  Top w0.25: D3.2 54.45,88.27 MX3.2
Net-(D4-Pad2): length 14.5
  Top w0.25: MX4.2 73.5,88.27 D4.2
Net-(D5-Pad2): length 14.5
  Top w0.25: MX5.2 92.55,88.27 D5.2
Net-(D6-Pad2): length 14.5
  Top w0.25: D6.2 111.6,88.27 MX6.2
Net-(D7-Pad2): length 14.5
  Top w0.25: MX7.2 130.65,88.27 D7.2
Net-(D8-Pad2): length 14.5
  Top w0.25: D8.2 149.7,88.27 MX8.2
Net-(D9-Pad2): length 14.5
  Top w0.25: MX9.2 168.75,88.27 D9.2
Net-(D10-Pad2): length 14.5
  Top w0.25: MX10.2 187.8,88.27 D10.2
Net-(D11-Pad2): length 14.5
  Top w0.25: MX11.2 206.85,88.27 D11.2
Net-(D12-Pad2): length 14.5
  Top w0.25: MX12.2 225.9,88.27 D12.2
Net-(D13-Pad2): length 14.5
  Top w0.25: MX13.2 244.95,88.27 D13.2
Net-(D14-Pad2): length 21.6
  Top w0.25: D14.2 280.67,88.27 MX14.2
Net-(D16-Pad2): length 7.8
  Top w0.25: 2.7,69.22 MX16.2
Net-(D17-Pad2): length 5.4
  Top w0.25: MX17.2 28.89,69.22
Net-(D18-Pad2): length 5.4
  Top w0.25: MX18.2 47.94,69.22
Net-(D19-Pad2): length 5.4
  Top w0.25: MX19.2 66.99,69.22
Net-(D20-Pad2): length 5.4
  Top w0.25: MX20.2 86.04,69.22
Net-(D21-Pad2): length 5.4
  Top w0.25: MX21.2 105.09,69.22
Net-(D22-Pad2): length 5.4
  Top w0.25: MX22.2 124.14,69.22
Net-(D23-Pad2): length 5.4
  Top w0.25: MX23.2 143.19,69.22
Net-(D24-Pad2): length 5.4
  Top w0.25: MX24.2 162.24,69.22
Net-(D25-Pad2): length 5.4
  Top w0.25: MX25.2 181.29,69.22
Net-(D26-Pad2): length 5.4
  Top w0.25: MX26.2 200.34,69.22
Net-(D27-Pad2): length 5.4
  Top w0.25: MX27.2 219.39,69.22
Net-(D28-Pad2): length 5.4
  Top w0.25: MX28.2 238.44,69.22
Net-(D29-Pad2): length 12.6
  Top w0.25: 268.09,69.22 268.09,71.04 266.48,72.65 263.31,72.65 D29.2
Net-(D30-Pad2): length 6.8
  Top w0.25: MX30.2 288.45,50.16 D30.2
Net-(D31-Pad2): length 10.2
  Top w0.25: 2.7,50.16 MX75.2 MX31.2
Net-(D32-Pad2): length 5.4
  Top w0.25: MX32.2 33.65,50.16
Net-(D33-Pad2): length 5.4
  Top w0.25: MX33.2 52.71,50.16
Net-(D34-Pad2): length 5.4
  Top w0.25: MX34.2 71.75,50.16
Net-(D35-Pad2): length 5.4
  Top w0.25: MX35.2 90.81,50.16
Net-(D36-Pad2): length 5.4
  Top w0.25: MX36.2 109.86,50.16
Net-(D37-Pad2): length 5.4
  Top w0.25: MX37.2 128.91,50.16
Net-(D38-Pad2): length 5.4
  Top w0.25: MX38.2 147.96,50.16
Net-(D39-Pad2): length 5.4
  Top w0.25: MX39.2 167,50.16
Net-(D40-Pad2): length 5.4
  Top w0.25: MX40.2 186.06,50.16
Net-(D41-Pad2): length 5.4
  Top w0.25: MX41.2 205.11,50.16
Net-(D42-Pad2): length 5.4
  Top w0.25: MX42.2 224.16,50.16
Net-(D43-Pad2): length 5.4
  Top w0.25: MX43.2 243.21,50.16
Net-(D44-Pad2): length 18.8
  Top w0.25: MX44.2 259.56,51.12 D44.2 265.74,56.99 268.44,59.69 270.03,59.69
Net-(D45-Pad2): length 6.8
  Top w0.25: D45.2 288.45,31.12 291.46,31.12
Net-(D46-Pad2): length 14.9
  Top w0.25: 17.62,31.12 2.7,31.12
Net-(D47-Pad2): length 7.2
  Top w0.25: 29.53,31.12 29.53,36.99 D47.2
Net-(D48-Pad2): length 5.4
  Top w0.25: 48.58,31.12 43.18,31.12
Net-(D49-Pad2): length 5.4
  Top w0.25: 67.63,31.12 62.23,31.12
Net-(D50-Pad2): length 5.4
  Top w0.25: 86.68,31.12 81.28,31.12
Net-(D51-Pad2): length 5.4
  Top w0.25: 105.73,31.12 100.33,31.12
Net-(D52-Pad2): length 5.4
  Top w0.25: 124.78,31.12 119.38,31.12
Net-(D53-Pad2): length 5.4
  Top w0.25: 143.83,31.12 138.43,31.12
Net-(D54-Pad2): length 5.4
  Top w0.25: 162.88,31.12 157.48,31.12
Net-(D55-Pad2): length 5.4
  Top w0.25: 181.93,31.12 176.53,31.12
Net-(D56-Pad2): length 5.4
  Top w0.25: 200.98,31.12 195.58,31.12
Net-(D57-Pad2): length 5.4
  Top w0.25: 220.03,31.12 214.63,31.12
Net-(D58-Pad2): length 14.9
  Top w0.25: 240.82,31.12 255.75,31.12
Net-(D59-Pad2): length 42.7
  Top w0.25: 272.41,31.12 270.86,31.12 264.96,25.22 239.1,25.22 235.74,28.57 D59.2
Net-(D60-Pad2): length 6.8
  Top w0.25: D60.2 307.5,31.12 310.51,31.12
Net-(D61-Pad2): length 7.8
  Top w0.25: MX79.2 MX61.2 2.7,12.06
Net-(D62-Pad2): length 5.4
  Top w0.25: 31.91,12.06 26.51,12.06
Net-(D63-Pad2): length 16
  Top w0.25: D63.2 55.4,11.75 ; 50.88,12.06 MX80.2
Net-(D64-Pad2): length 16.4
  Top w0.25: D64.2 76.52,12.06 MX64.2
Net-(D65-Pad2): length 11.1
  Bottom w0.25: MX81.2 MX65.2 ; 119.7,11.75 114.3,11.75 D65.2
Net-(D66-Pad2): length 15.1
  Top w0.25: D66.2 119.91,14.29 123.01,14.29 125.23,12.06 MX66.2
Net-(D67-Pad2): length 16.4
  Top w0.25: MX67.2 147.96,12.06 D67.2
Net-(D68-Pad2): length 10.2
  Top w0.25: MX82.2 MX68.2 190.82,12.06
Net-(D69-Pad2): length 7.3
  Top w0.25: D69.2 214.47,12.86 MX69.2
Net-(D70-Pad2): length 12.7
  Top w0.25: MX70.2 228.92,12.06 ; 228.76,19.05 228.76,12.86 MX83.2
Net-(D71-Pad2): length 6.8
  Top w0.25: D71.2 250.35,12.06 MX71.2
Net-(D72-Pad2): length 5.4
  Top w0.25: MX72.2 267.02,12.06
Net-(D73-Pad2): length 5.4
  Top w0.25: MX73.2 286.07,12.06
Net-(D74-Pad2): length 5.4
  Top w0.25: MX74.2 305.12,12.06

## Copper pours and planes (outline as drawn; the poured copper is in the pictures)
GND on Top: 323.85,0 0,0 0,95.25 323.85,95.25
GND on Bottom: 323.85,0 0,0 0,95.25 323.85,95.25

## Text on the board
B.Mask: Designed by Mingze Jin
F.Mask: 1.25u | 1.5u | Designed by Mingze Jin
